# Altium PCB MIXR Input and Processing.PcbDoc (part 3 of 3) (continued)
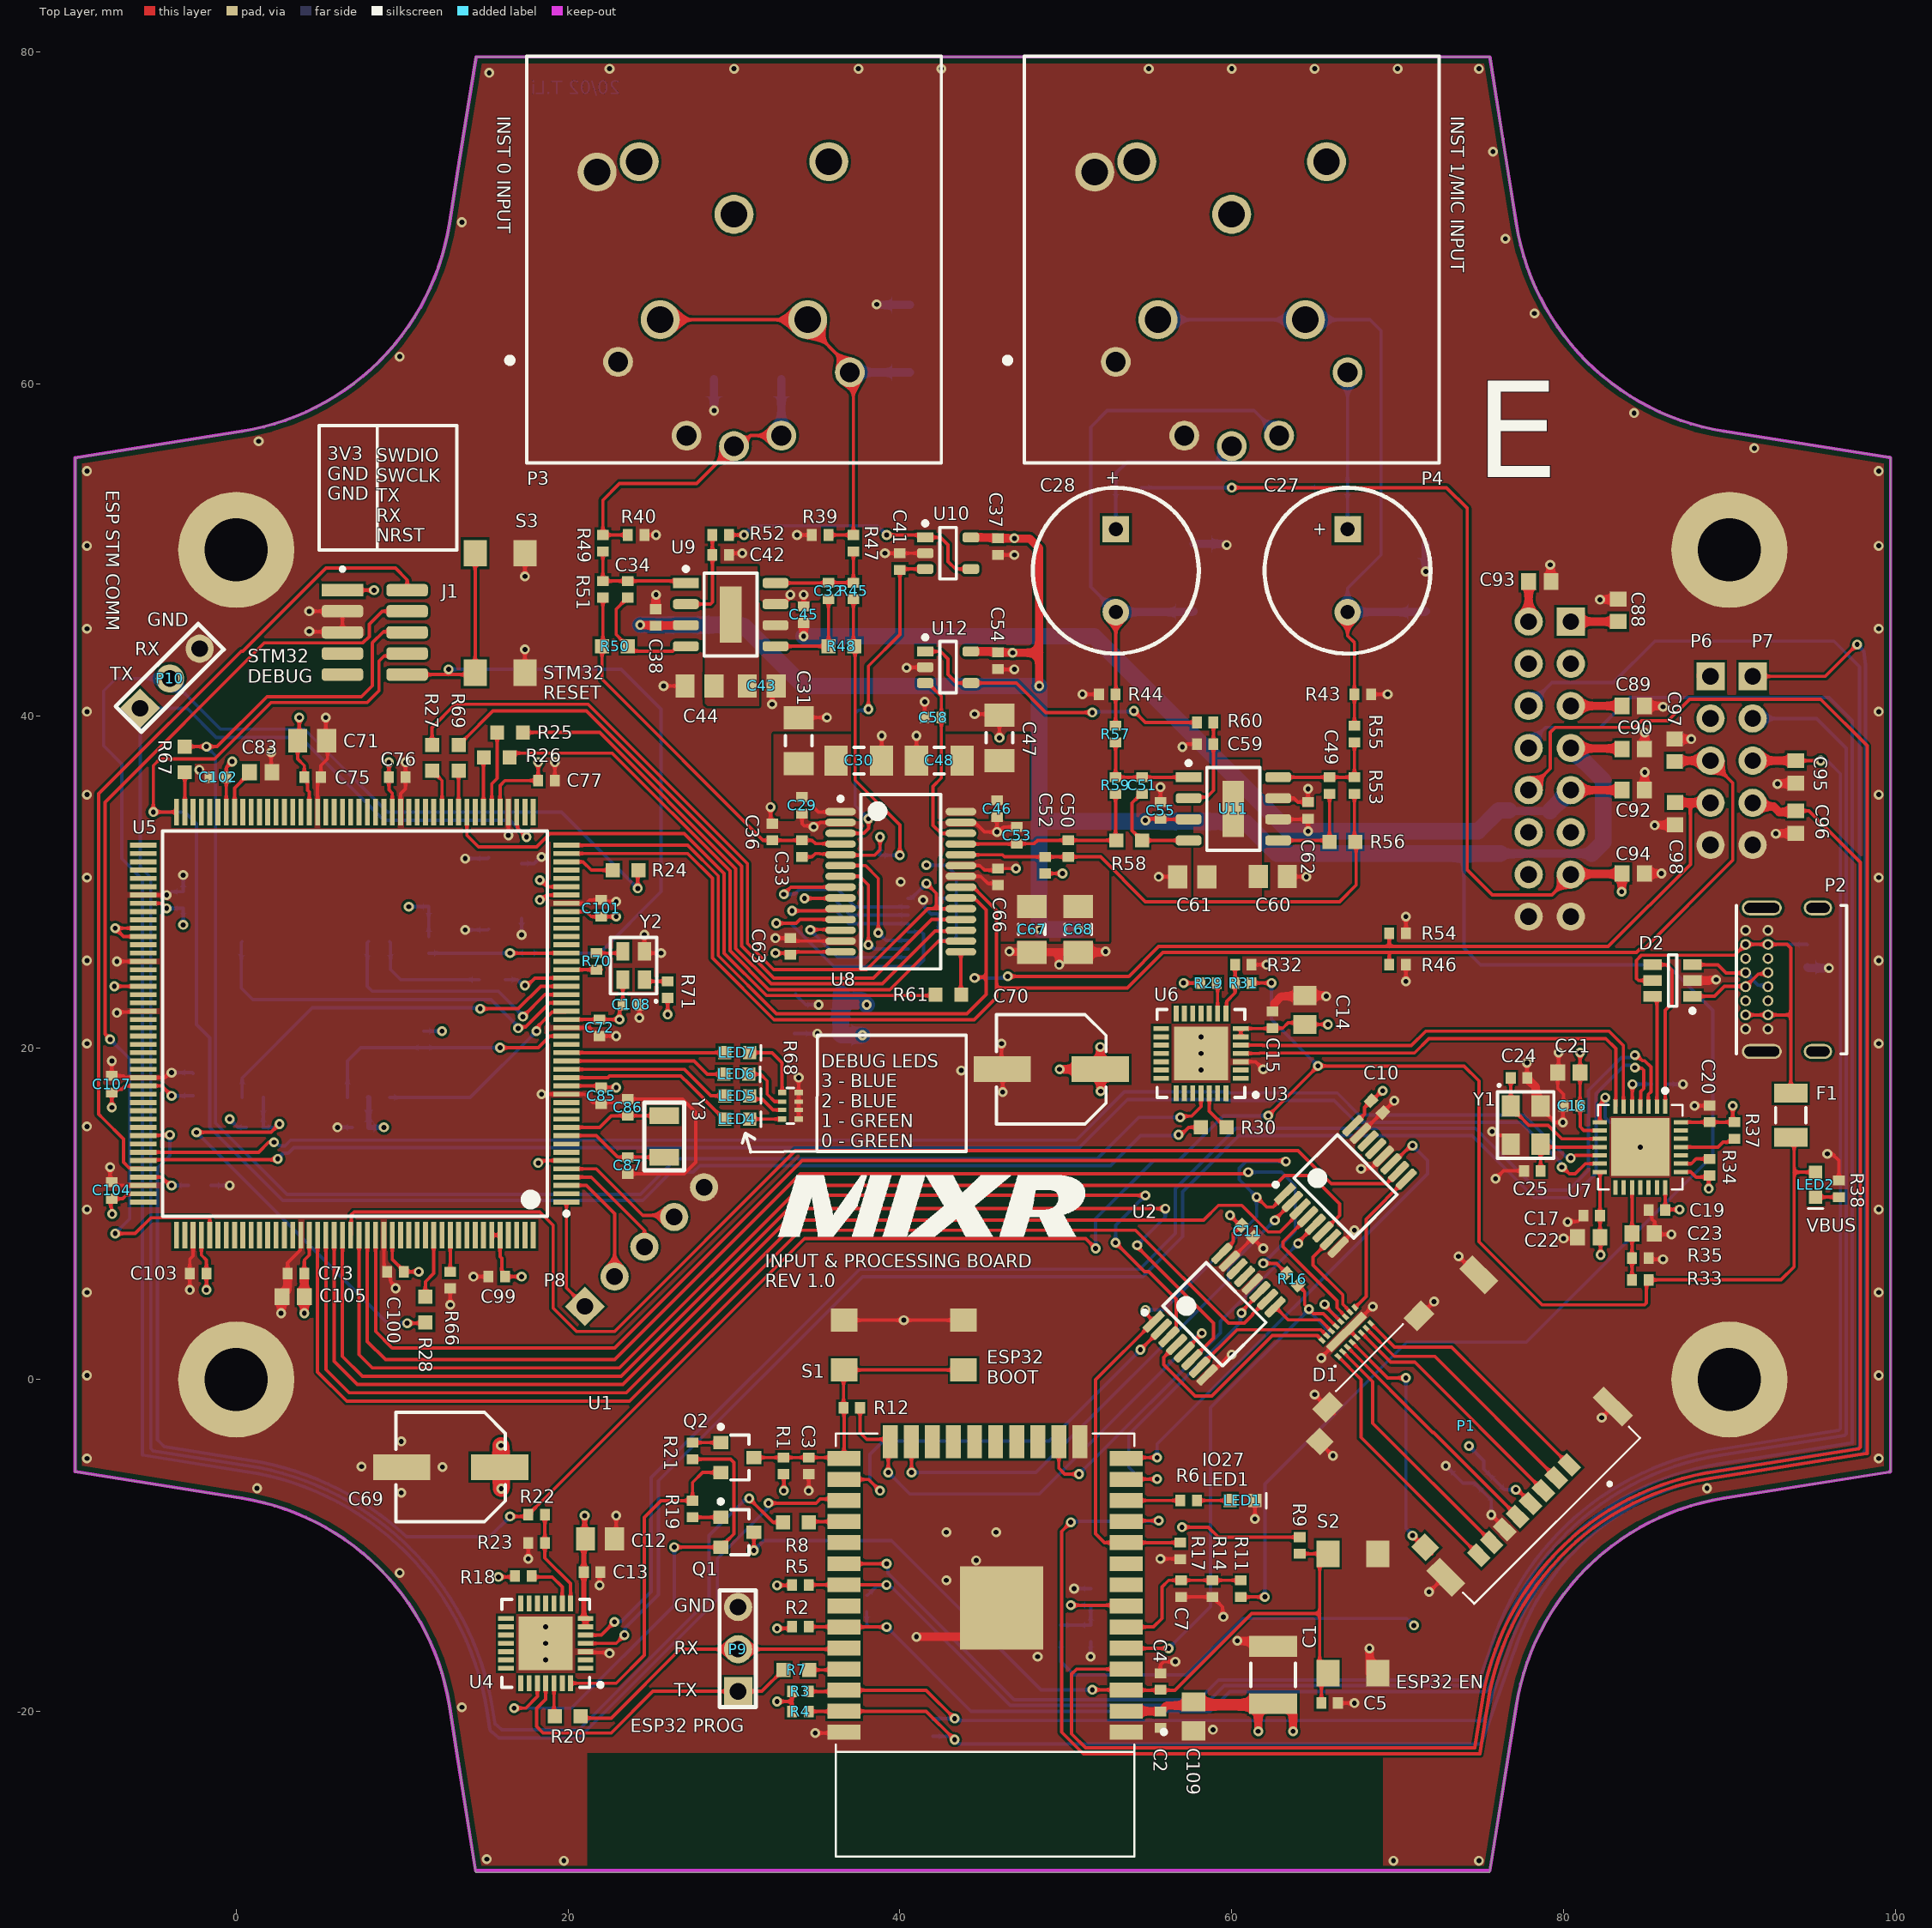
[diagram p0: Top Layer view]
## Nets (pads, with @x,y where several pads share a name; then routed paths per layer and width w, separated by ;. In a path a pad name is that pad's centre, name@x,y a point inside that pad or via, vN(x,y) a via of type N, cw(c..) or ccw(c..) an arc to the next point about the centre after c; other vN are vias at no path point) (continued)
  Top Layer w0.2: U2.4@56.68,2.118 55.9,1.339 55.9,0.9 57.8,-1 58.8,-1 62.448,2.648 65.158,2.648 D1.16@65.448,2.358
SD_DATA2: D1.8 P1.1 | length 15.5
  Top Layer w0.2: D1.8@68.383,3.383 69.811,1.954 73.246,1.954 74.1,1.1 ; 74.101,1.1 P1.1@80.344,-5.143
SD_DATA2_FILTERED: D1.9 U3.9 | length 9
  Top Layer w0.2: D1.9@67.428,4.337 68.1,5.009 68.1,9.661 U3.9@70.52,12.082
SD_DATA3: D1.7 P1.2 | length 15.2
  Top Layer w0.2: D1.7@68.1,3.1 69.8,1.4 72.246,1.4 P1.2@79.566,-5.921
SD_DATA3_FILTERED: D1.10 U3.7 | length 5.8
  Top Layer w0.2: U3.7@65.96,8.44 64.9,7.381 64.9,6.9 66.7,5.1 66.7,4.532 67.145,4.087 D1.10@67.145,4.055
SDCLK: D1.3 P1.5 | length 14.5
  Top Layer w0.2: D1.3@66.969,1.969 72.124,-3.186 72.165,-3.186 P1.5@77.233,-8.254
SDCMD: D1.6 P1.3 | length 14.9
  Top Layer w0.2: D1.6@67.817,2.817 69.587,1.048 71.042,1.048 P1.3@78.789,-6.699
STM32_BOOT0: R66.1 U5.166 | length 2.2
  Top Layer w0.2: R66.1@12.9,6.5 U5.166@12.9,8.7
STM32_NRST: C78.1 J1.10 R65.2 S3.1 U5.31 | length 55.4
  Top Layer w0.2: J1.10@10.3,42.49 12.8,42.49 ; v1(12.8,42.802) 12.8,42.49 ; S3.1@14.4,49.8 S3.1@14.4,42.6 14.29,42.49 12.8,42.49 ; v1(16.5,25.7) U5.31@19.9,25.7
  Bottom Layer w0.2: R65.2@11.6,25.7 v1(16.5,25.7) 17.326,25.7 C78.1@17.6,25.7 21.9,25.7 25.6,29.4 25.6,40.4 23.198,42.802 v1(12.8,42.802)
STM32_OSC32_IN: C87.1 U5.9 Y3.2 | length 6.4
  Top Layer w0.2: U5.9@19.9,14.7 21.7,14.7 23,13.4 C87.1@23.6,13.4 Y3.2@25.8,13.4
STM32_OSC32_OUT: C86.1 U5.10 Y3.1 | length 6.2
  Top Layer w0.2: U5.10@19.9,15.2 21.9,15.2 22.6,15.9 C86.1@23.6,15.9 Y3.1@25.8,15.9
STM32_OSC_IN: R70.2 U5.29 | length 2.1
  Top Layer w0.2: U5.29@19.9,24.7 R70.2@22,24.7
STM32_PA2_UART2_TX_ESP32_RX: P10.2 R24.1 U1.27 | length 144.4
  Top Layer w0.2: v1(24.2,29.6) 24.2,30.65 R24.1@24.25,30.7 ; v1(32.075,-7.45) 34.95,-7.45 35.2,-7.2 36.545,-7.2 U1.27@36.635,-7.29
  Bottom Layer w0.2: v1(24.2,29.6) 19.6,34.2 9.1,34.2 4.1,39.2 -0.95,39.2 P10.2@-4,42.25 -7.25,42.25 -8,41.5 -8,38.202 -6.9,37.102 -6.9,31.393 -6.754,31.246 -5.654,30.146 -5.654,-4.548 1.337,-5.664 1.341,-5.665 cw(c-2.08,-22.745) 15.109,-19.918 15.292,-21.074 15.303,-21.147 15.834,-21.6 20.65,-21.6 29,-13.25 29,-10.8 32.075,-7.725 v1(32.075,-7.45)
STM32_PA3_UART2_RX_ESP32_TX: P10.1 R8.1 U5.47 | length 128.2
  Top Layer w0.2: U5.47@16.9,34.2 16.95,34.15 16.95,33.25 v1(17.5,32.7) ; v1(30.918,-7.168) 32.35,-8.6 R8.1@32.95,-8.6
  Bottom Layer w0.2: 17.115,-21.1 16.017,-21.1 15.596,-20.74 15.584,-20.667 15.457,-19.862 ccw(c-2.08,-22.745) 1.399,-5.317 -5.006,-4.294 -5.154,-4.146 -5.154,30.254 -5.796,30.896 P10.1@-5.796,40.454 -2.954,40.454 -1.202,38.702 3.891,38.702 8.893,33.7 16.5,33.7 v1(17.5,32.7) ; 17.2,-21.1 20.65,-21.1 28.5,-13.25 28.5,-9.4 30.656,-7.245 30.841,-7.245 v1(30.918,-7.168)
STM32_PA4_I2S1_WS: R25.1 U8.17 | length 36.9
  Top Layer w0.2: R25.1@17.238,39 21.903,39 30.11,30.794 30.11,25.984 32.246,23.848 38.948,23.848 42.127,27.027 43.627,27.027 U8.17@43.675,27.075
STM32_PA5_I2S1_CK: R26.1 U8.16 | length 37.4
  Top Layer w0.2: R26.1@16.475,37.5 R26.1@16.475,37.6 ; R26.1@16.501,37.4 16.501,37.453 16.8,37.752 22.653,37.752 29.757,30.648 29.757,25.838 32.1,23.495 39.395,23.495 42.325,26.425 U8.16@43.675,26.425
STM32_PA7_I2S1_SD: R61.2 U5.53 | length 37.2
  Top Layer w0.2: U5.53@13.95,34.15 U5.53@13.9,34.2 13.9,32.8 14.6,32.1 18.1,32.1 18.9,32.9 27.007,32.9 29.405,30.502 29.405,25.692 31.954,23.143 42.093,23.143 R61.2@42.15,23.2
STM32_PA13_SWDIO: J1.2 U5.128 | length 49.3
  Top Layer w0.2: U5.128@-5.6,12.7 -5.65,12.75 -6.457,12.75 -6.8,13.093 -6.8,14.5 -8,15.7 -8.3,16 -8.3,35.3 0.3,43.9 0.4,43.9 5.4,48.9 9.6,48.9 10.3,48.2 J1.2@10.3,47.57
STM32_PA14_SWCLK: J1.4 U5.137 | length 57.5
  Top Layer w0.2: v1(-7.6,20.5) -7.6,20.517 -7.9,20.817 -7.9,34.8 1.7,44.4 7.642,44.4 8.022,44.78 8.022,45.522 8.8,46.3 J1.4@10.3,46.3 ; v1(-7.3,8.8) -6.1,8.8 -5.148,9.752 -1.6,9.752 U5.137@-1.6,8.7
  Bottom Layer w0.2: v1(-7.6,20.5) -6.423,19.323 -6.423,9.677 v1(-7.3,8.8)
STM32_PB0_ADC_nRESET: R27.1 R62.8 U8.19 | length 47.7
  Top Layer w0.2: R27.1@11.8,38.25 11.8,39.3 13.2,40.7 21.2,40.7 30.814,31.086 30.814,26.276 32.39,24.7 38,24.7 41.675,28.375 42.2,28.375 ; v1(41.6,29.9) 42.2,29.3 42.2,28.375 ; U8.19@43.675,28.375 42.2,28.375
  Bottom Layer w0.2: R62.8@40.5,29 40.703,29 41.6,29.897 v1(41.6,29.9)
STM32_PB6_QSPI_BK1_NCS: R28.1 R73.2 U13.7 | length 26.7
  Top Layer w0.2: v1(-2.4,14.9) 2.1,14.9 v1(2.6,15.4) ; v2(10.3,3.4) 11.35,3.4 R28.1@11.4,3.45
  Bottom Layer w0.2: v1(-2.4,14.9) 9.1,3.4 v2(10.3,3.4) ; U13.7@1.625,17 1.625,15.225 R73.2@1.6,15.2 2.292,15.2 2.492,15.4 v1(2.6,15.4)
STM32_PB14_DEBUG_UART1_TX: J1.6 R67.1 U6.25 | length 104.9
  Top Layer w0.2: R67.1@-3.1,38.15 v1(-1.8,38.15) -1.15,38.15 1.852,41.152 7.542,41.152 8.2,41.81 8.2,44.4 8.867,45.067 10.263,45.067 J1.6@10.3,45.03 ; v1(56.9,15.8) 56.977,15.877 57.577,15.877 58.15,16.45 U6.25@58.15,17.255
  Bottom Layer w0.2: v1(-1.8,38.15) -1.248,37.598 -1.248,15.448 3.048,11.152 24.352,11.152 26.5,13.3 51.9,13.3 54.4,15.8 v1(56.9,15.8)
STM32_PB15_DEBUG_UART1_RX: J1.8 R30.2 U5.88 | length 108.3
  Top Layer w0.2: U5.88@-3.6,34.2 v1(-5,34.2) -5,37 -4.6,37.4 -1.3,37.4 2.1,40.8 7.895,40.8 8.6,41.505 8.6,43.3 8.91,43.61 10.15,43.61 J1.8@10.3,43.76 ; v1(56.8,14.752) 56.961,14.752 57.408,15.2 R30.2@58.15,15.2
  Bottom Layer w0.2: v1(-5,34.2) -3.1,34.2 -2.4,33.5 -2.4,21.4 -1.6,20.6 -1.6,15.2 2.8,10.8 24.5,10.8 26.2,12.5 27.541,12.5 27.941,12.9 52.7,12.9 54.5,14.7 56.748,14.7 v1(56.8,14.752)
STM32_PC4_I2S1_MCK: R69.1 U8.18 | length 42.1
  Top Layer w0.2: R69.1@13.4,38.25 13.725,38.575 13.75,38.575 15.475,40.3 21.102,40.3 30.462,30.94 30.462,26.13 32.392,24.2 38.4,24.2 41.925,27.725 U8.18@43.675,27.725
STM32_PD6_SDMMC2_CK: U2.10 U5.150 | length 73.4
  Top Layer w0.2: U5.150@4.9,8.7 4.9,0.465 6.665,-1.3 23.7,-1.3 34,9 54.2,9 59.8,3.4 60.762,3.4 61.26,3.898 61.26,3.941 U2.10@62.16,4.84
STM32_PD7_SDMMC2_CMD: U3.3 U5.151 | length 73.4
  Top Layer w0.2: U5.151@5.4,8.7 5.4,0.6 6.8,-0.8 23.5,-0.8 33.9,9.6 58.3,9.6 59.2,10.5 60.6,10.5 62.2,8.9 62.904,8.9 64.121,10.118 U3.3@64.121,10.279
STM32_PE2_SPI4_SCK: P8.1 U5.1 | length 6.8
  Top Layer w0.2: U5.1@19.9,10.7 19.9,5.516 P8.1@21.008,4.408
STM32_PE4_SPI4_nCS: P8.2 U5.3 | length 7.4
  Top Layer w0.2: U5.3@19.9,11.7 21.1,11.7 22.804,9.996 P8.2@22.804,6.204
STM32_PE5_SPI4_MISO: P8.3 U5.4 | length 7
  Top Layer w0.2: U5.4@19.9,12.2 21.4,12.2 24.6,9 P8.3@24.6,8
STM32_PE6_SPI4_MOSI: P8.4 U5.5 | length 7.7
  Top Layer w0.2: U5.5@19.9,12.7 21.7,12.7 24.5,9.9 26.292,9.9 P8.4@26.396,9.796
STM32_PF0_DEBUG_LED_0: LED4.1 U5.16 | length 10.7
  Top Layer w0.2: U5.16@19.9,18.2 22.4,18.2 22.5,18.3 26.8,18.3 27.3,17.8 29.1,16 29.139,16 LED4.1@29.439,15.7
STM32_PF1_DEBUG_LED_1: LED5.1 U5.17 | length 10.2
  Top Layer w0.2: U5.17@19.9,18.7 27,18.7 28.6,17.1 LED5.1@29.439,17.1
STM32_PF2_DEBUG_LED_2: LED6.1 U5.18 | length 9.8
  Top Layer w0.2: U5.18@19.9,19.2 27.6,19.2 28.4,18.4 29.379,18.4 LED6.1@29.389,18.41
STM32_PF3_DEBUG_LED_3: LED7.1 U5.19 | length 9.5
  Top Layer w0.2: U5.19@19.9,19.7 LED7.1@29.439,19.7
STM32_PF5_FLASH_nRESET: R74.2 U5.21 U13.3 | length 16
  Top Layer w0.2: v1(15.9,20) 18.2,20 18.9,20.7 U5.21@19.9,20.7
  Bottom Layer w0.2: U13.3@6.705,17 6.705,19.205 7.5,20 v1(15.9,20)
STM32_PF6_QSPI_BK1_IO3: U5.24 U13.1 | length 12.9
  Top Layer w0.2: v1(18.1,21) 18.177,21.077 18.177,21.283 19.043,22.15 19.85,22.15 U5.24@19.9,22.2
  Bottom Layer w0.2: U13.1@9.245,17 14.1,17 v1(18.1,21)
STM32_PF7_QSPI_BK1_IO2: U5.25 U13.9 | length 24.1
  Top Layer w0.2: v1(16.992,21.171) 17.069,21.247 17.436,21.247 18.889,22.7 U5.25@19.9,22.7
  Bottom Layer w0.2: U13.9@0.355,26.4 0.3,26.345 0.3,23.6 1,22.9 15.369,22.9 16.992,21.276 v1(16.992,21.171)
STM32_PF8_QSPI_BK1_IO0: U5.26 U13.15 | length 16.1
  Top Layer w0.2: v1(17.275,21.868) 18.608,23.2 U5.26@19.9,23.2
  Bottom Layer w0.2: U13.15@7.975,26.4 7.9,26.325 7.9,23.7 8.2,23.4 15.8,23.4 17.2,22 17.2,21.943 v1(17.275,21.868)
STM32_PF9_QSPI_BK1_IO1: U5.27 U13.8 | length 23
  Top Layer w0.2: v1(14.7,22.348) 17.002,22.348 18.354,23.7 U5.27@19.9,23.7
  Bottom Layer w0.2: U13.8@0.355,17 0.355,18.166 4.589,22.4 14.648,22.4 v1(14.7,22.348)
STM32_PF10_QSPI_CLK: R72.2 U13.16 | length 7.3
  Bottom Layer w0.2: U13.16@9.245,26.4 9.3,26.345 9.3,24.7 9.9,24.1 R72.2@14.65,24.1
STM32_PG9_SDMMC2_D0: U2.6 U5.152 | length 74.9
  Top Layer w0.2: U5.152@5.9,8.7 5.9,1.1 7.3,-0.3 23.3,-0.3 33.9,10.3 v1(56,10.3) ; v1(54.3,8.1) 54.3,8 58.9,3.4 58.9,2.5 U2.6@57.599,1.199
  Bottom Layer w0.2: v1(54.3,8.1) 56,9.8 v1(56,10.3)
STM32_PG10_SDMMC2_D1: U2.3 U5.153 | length 71.8
  Top Layer w0.2: U5.153@6.4,8.7 6.4,1.4 7.6,0.2 23.203,0.2 34.103,11.1 v1(54.8,11.1) ; v1(53,8.248) 54.74,6.508 54.992,6.508 56.656,4.844 56.656,3.179 56.22,2.744 U2.3@56.22,2.578
  Bottom Layer w0.2: v1(53,8.248) 53,9.3 v1(54.8,11.1)
STM32_PG11_SDMMC2_D2: U3.10 U5.154 | length 76
  Top Layer w0.2: U5.154@6.9,8.7 6.937,8.737 6.937,9.937 7.1,10.1 18.3,10.1 19.1,9.3 19.1,4.3 20.5,2.9 22.8,2.9 33.7,13.8 64,13.8 66.001,11.799 69.318,11.799 U3.10@70.061,12.542
STM32_PG12_SDMMC2_D3: U3.6 U5.155 | length 74.3
  Top Layer w0.2: U5.155@7.4,8.7 7.4,1.5 8.2,0.7 23.1,0.7 34.1,11.7 62.6,11.7 63.2,12.3 64.8,12.3 65.3,11.8 65.653,11.447 66.5,10.6 66.5,9.9 U3.6@65.5,8.9
STM32_PG13_SD_DETECT: R16.1 U5.156 | length 74.9
  Top Layer w0.2: U5.156@7.9,8.7 7.9,2.3 9,1.2 22.8,1.2 34,12.4 60.683,12.4 60.706,12.423 60.923,12.423 v1(61,12.5) ; v1(61.9,7) 62.7,7 R16.1@63.293,6.407
  Bottom Layer w0.2: v1(61,12.5) 63,12.5 63.831,11.669 63.831,8.931 v1(61.9,7)
USB_DEBUG_DN: D2.3 P2.A7 P2.B7 | length 5.1
  Top Layer w0.2: D2.3@87.77,25 89.3,25 89.8,24.5 90.95,24.5 P2.A7@90.975,24.525
  Bottom Layer w0.2: P2.A7@90.975,24.525 91.739,23.761 92.239,23.761 P2.B7@92.325,23.675
USB_DEBUG_DP: D2.1 P2.A6 P2.B6 | length 5.2
  Top Layer w0.2: D2.1@87.77,23.1 89.1,23.1 89.7,23.7 90.95,23.7 P2.A6@90.975,23.675 91.739,24.439 92.239,24.439 P2.B6@92.325,24.525
USB_DEBUG_PROT_DN: D2.4 U7.1 | length 9.7
  Top Layer w0.2: D2.4@85.37,25 86.2,25 86.541,24.659 86.541,22.661 86.13,22.25 U7.1@86.13,16.445
USB_DEBUG_PROT_DP: D2.6 U7.2 | length 6.8
  Top Layer w0.2: D2.6@85.37,23.1 85.405,23.1 85.63,22.875 U7.2@85.63,16.445
USB_ESP32_D_N: U4.5 U7.3 | length 93
  Top Layer w0.2: U4.5@21.05,-15.4 22,-15.4 v1(22.8,-14.6) ; v1(84.3,19.552) 84.408,19.552 84.749,19.212 84.897,19.212 85.278,18.831 85.278,17.348 85.105,17.175 85.105,16.47 U7.3@85.13,16.445
  Bottom Layer w0.2: v1(22.8,-14.6) 22.833,-14.567 23.215,-14.567 25,-12.782 25,-5.914 37.564,6.65 54.45,6.65 56.6,8.8 56.6,11.5 60.25,15.15 74.686,15.15 78.418,11.418 80.318,11.418 81.51,12.61 81.51,17.428 83.484,19.401 84.041,19.401 84.192,19.552 v1(84.3,19.552)
USB_ESP32_D_P: U4.4 U7.4 | length 92.4
  Top Layer w0.2: U4.4@21.05,-15.9 22.9,-15.9 v1(23.4,-15.4) ; v1(84.3,18.8) 84.338,18.762 84.71,18.762 84.828,18.645 84.828,17.534 84.655,17.361 84.655,16.47 U7.4@84.63,16.445
  Bottom Layer w0.2: v1(23.4,-15.4) 23.433,-15.367 23.433,-14.985 25.45,-12.968 25.45,-6.1 37.75,6.2 54.636,6.2 57.05,8.614 57.05,11.314 60.436,14.7 74.5,14.7 78.1,11.1 78.232,10.968 80.505,10.968 81.96,12.424 81.96,17.241 83.67,18.951 84.041,18.951 84.192,18.8 v1(84.3,18.8)
USB_STM32_D_N: U6.5 U7.6 | length 27.5
  Top Layer w0.2: U6.5@60.55,20.155 61.855,20.155 61.88,20.13 70.83,20.13 71.7,21 82.736,21 83.605,20.131 83.605,16.47 U7.6@83.63,16.445
USB_STM32_D_P: U6.4 U7.7 | length 26.7
  Top Layer w0.2: U6.4@60.55,19.655 61.675,19.655 61.7,19.68 71.016,19.68 71.886,20.55 82.55,20.55 83.155,19.945 83.155,16.47 U7.7@83.13,16.445
USB_STM32_USB_FS_D_N: U5.126 U7.12 | length 90.9
  Top Layer w0.2: U5.126@-5.575,13.675 U5.126@-5.6,13.7 1.351,13.7 1.951,14.3 v1(2.276,14.3) ; 80.718,13.51 U7.12@82.195,13.51
  Bottom Layer w0.2: v1(2.276,14.3) 2.384,14.3 2.584,14.1 2.617,14.1 2.626,14.091 2.937,14.091 3.278,14.432 50.632,14.432 53.532,17.332 59.785,17.332 59.844,17.273 66.363,17.273 67.684,15.952 77.608,15.952 80.133,13.428 80.357,13.428 v1(80.433,13.351)
USB_STM32_USB_FS_D_P: U5.127 U7.13 | length 91.6
  Top Layer w0.2: U5.127@-5.6,13.2 -5.55,13.25 2.45,13.25 v1(2.5,13.3) ; v1(79.9,12.8) 79.949,12.8 80.349,12.4 80.7,12.4 81.31,13.01 U7.13@82.195,13.01
  Bottom Layer w0.2: v1(2.5,13.3) 2.5,13.324 2.817,13.641 3.124,13.641 3.465,13.982 50.818,13.982 53.718,16.882 59.599,16.882 59.658,16.823 66.177,16.823 67.498,15.502 77.422,15.502 79.823,13.101 79.823,12.877 v1(79.9,12.8)
VBUS_DEBUG: C26.1 D2.5 F1.1 P2.A4 P2.A9 P2.B4 P2.B9 | length 27.1
  Top Layer w0.2: D2.5@85.37,24.05 84.517,24.05 84.4,24.167 84.4,25.262 84.715,25.577 90.328,25.577 P2.A9@90.975,26.225 P2.B4@92.325,26.225 93.475,26.225 93.7,26 93.7,21.975 ; P2.A4@90.975,21.975 P2.B9@92.325,21.975 93.7,21.975 ; F1.1@93.7,17.26 93.7,21.975
  Bottom Layer w0.2: P2.A9@90.975,26.225 P2.B4@92.325,26.225 94.675,26.225 C26.1@94.7,26.2
VBUS_DEBUG_PROT: F1.2 LED2.1 R22.1 R31.1 R33.1 U5.124 | length 163.6
  Top Layer w0.2: U5.124@-5.6,14.7 -5.575,14.725 -4.025,14.725 v1(-4,14.75) ; v1(16.5,-8.25) 17.5,-8.25 R22.1@17.6,-8.15 17.6,-8.1 17.8,-7.9 17.85,-7.9 18.048,-7.702 18.048,-7.695 18.195,-7.548 18.202,-7.548 34.25,8.5 51.2,8.5 v1(51.8,7.9) ; R31.1@61.2,23.9 v1(62.4,23.9) ; v1(62.2,15.9) v1(65.2,18.9) 74,18.9 74.9,18 74.9,8.3 78.7,4.5 84.883,4.5 85,4.617 85,5.88 R33.1@85.13,6.01 93.11,6.01 93.9,6.8 93.9,12.5 ; F1.2@93.7,14.6 93.9,14.4 93.9,12.5 ; LED2.1@95.2,12.5 93.9,12.5
  Bottom Layer w0.2: v1(-4,14.75) -4,13.5 -4.75,12.75 -4.75,-3.633 -4.535,-3.848 -4.339,-4.044 1.461,-4.97 1.465,-4.971 cw(c-2.08,-22.745) 10.269,-9.479 15.271,-9.479 v1(16.5,-8.25) ; v1(51.8,7.9) 51.8,9.7 55.3,13.2 56.8,13.2 59.5,15.9 v1(62.2,15.9) ; v1(62.4,23.9) 62.4,21.7 v1(65.2,18.9)
VCAP_1: C83.1 U5.81 | length 2.8
  Top Layer w0.2: U5.81@-0.1,34.2 -0.1,35.65 0.8,36.55 C83.1@0.8,36.6
VCAP_2: C84.1 U5.129 | length 2.9
  Top Layer w0.2: U5.129@-5.612,12.212 U5.129@-5.6,12.2 -4.5,12.2 -4,11.7 v1(-3.9,11.7)
  Bottom Layer w0.2: v1(-3.9,11.7) C84.1@-2.875,11.7
VCOM_L: C41.1 U8.3 U10.3 | length 20.7
  Top Layer w0.2: U8.3@36.425,32.925 37.825,32.925 38.117,33.217 38.117,33.783 v1(38.1,33.8) ; v1(38.1,40.4) 38.1,43 40,44.9 C41.1@40,48.8 40.05,48.85 U10.3@41.525,48.85
  Bottom Layer w0.2: v1(38.1,33.8) 37.3,34.6 37.3,40.135 37.5,40.335 38.035,40.335 v1(38.1,40.4)
VCOM_R: C58.1 U8.26 U12.3 | length 11.2
  Top Layer w0.2: U12.3@41.525,41.98 41.698,41.98 41.925,41.753 42.5,41.177 42.5,39.9 42.5,36.25 42,35.75 42,33.4 42.475,32.925 U8.26@43.675,32.925
VIN_FILTERED_0_LEFT_NEG: C33.1 C35.1 R45.2 R48.2 U8.5 | length 24.8
  Top Layer w0.2: C33.1@34.1,31.4 34.15,31.45 C33.1@34.2,31.5 ; C33.1@34.1,31.5 C33.1@34.2,31.5 ; R45.2@37.2,47.025 37.2,44.245 37.3,44.145 37.3,36.125 40,33.425 v1(40,31.6) ; v1(38.8,32.7) 38.8,31.924 38.476,31.6 36.45,31.6 U8.5@36.425,31.625 36.377,31.673 35.21,31.673 35.182,31.7 34.9,31.7 34.7,31.5 C33.1@34.2,31.5
  Bottom Layer w0.2: v1(38.8,32.7) 38.8,31.65 C35.1@38.75,31.6 v1(40,31.6)
VIN_FILTERED_0_LEFT_POS: C33.2 C36.1 R50.2 R51.2 U8.4 | length 23.4
  Top Layer w0.2: R51.2@22.1,47.125 22.1,44.245 R50.2@22.05,44.195 22.05,42.2 31.75,32.5 C36.1@32.3,32.5 C33.2@34.1,32.5 34.7,32.5 34.9,32.3 36.4,32.3 U8.4@36.425,32.275
VIN_FILTERED_1_RIGHT_NEG: C50.1 C52.1 R53.2 R56.2 U8.24 | length 31
  Top Layer w0.2: U8.24@43.675,31.625 46.175,31.625 46.3,31.5 C52.1@48.762,31.5 ; C52.1@48.75,31.5 C50.1@50.15,31.5 52.1,31.5 54.8,28.8 66.5,28.8 67.5,29.8 67.5,32.35 R56.2@67.45,32.4 67.4,32.45 R53.2@67.4,35.3
VIN_FILTERED_1_RIGHT_POS: C50.2 C53.1 R58.2 R59.2 U8.25 | length 12.2
  Top Layer w0.2: U8.25@43.675,32.275 47.025,32.275 C53.1@47.05,32.3 48.1,32.3 48.3,32.5 49.45,32.5 C50.2@50.15,32.5 52.96,32.5 53,32.54 R59.2@53,35.3
VIN_INST_0_NEG: D4.1 P3.3 P3.5 R40.1 R49.1 | length 19.4
  Top Layer w0.2: R40.1@23.6,50.9 R49.1@22.1,50.9 22.1,53 23.1,54 27.745,54 P3.3@30,56.255 30.355,56.255 30.99,56.89 P3.5@32.857,56.89
  Bottom Layer w0.5: P3.5@32.857,56.89 D4.1@32.857,60.3
VIN_INST_0_POS: D3.1 P3.2 P3.6 P3.7 R39.1 R47.1 | length 28.1
  Top Layer w0.2: P3.6@25.555,63.875 P3.7@34.445,63.875 34.445,63.557 36.985,61.017 P3.2@36.985,60.7 37.2,60.485 R47.1@37.2,50.9 R39.1@35.7,50.9
  Bottom Layer w0.5: P3.2@36.985,60.7 D3.1@40.6,60.7
VIN_INST_1_NEG: C28.2 D6.1 P4.5 R44.1 R57.1 | length 35.7
  Top Layer w0.2: R57.1@53,39.4 R44.1@53,41.3 53.015,41.315 C28.2@53.015,46.25
  Bottom Layer w0.2: C28.2@53.015,46.25 51.5,47.765 51.5,57.4 52.5,58.4 61.348,58.4 P4.5@62.858,56.89
  Bottom Layer w0.5: C28.2@53.015,46.25 57.65,46.25 D6.1@57.7,46.3
VIN_INST_1_POS: C27.2 D5.1 P4.6 P4.7 R43.1 R55.1 | length 43.3
  Top Layer w0.2: C27.2@66.985,46.25 66.985,44.815 67.4,44.4 R43.1@67.4,41.3 R55.1@67.4,39.4
  Bottom Layer w0.2: P4.6@55.555,63.875 P4.7@64.445,63.875 68.325,63.875 69,63.2 69,49.7 66.985,47.685 C27.2@66.985,46.25
  Bottom Layer w0.5: C27.2@66.985,46.25 71.65,46.25 D5.1@71.7,46.3
VREF_L: C29.1 C30.1 C31.1 U8.1 | length 1.9
  Top Layer w0.2: 34.7,34.6 35.1,34.2 36.4,34.2 U8.1@36.425,34.225
VREF_R: C46.1 C47.1 C48.1 U8.28
pads on no net: J1.7 J1.9 P2.A5 P2.A8 P2.B5 P2.B8 P2.P2 P2.P3 P2.P4 P3.9 P3.10 P3.11 P4.9 P4.10 P4.11 P5.6 U1.8 U1.9 U1.17 U1.18 U1.19 U1.20 U1.21 U1.22 U1.29 U1.32 U2.13 U2.14 U3.13 U3.14 U4.1 U4.2 U4.10 U4.11 U4.12 U4.13 U4.14 U4.15 U4.16 U4.17 U4.18 U4.19 U4.20 U4.21 U4.22 U4.23 U4.27 U5.2 U5.7 U5.8 U5.11 U5.12 U5.13 U5.20 U5.30 U5.32 U5.33 U5.34 U5.35 U5.40 U5.41 U5.45 U5.46 U5.52 U5.55 U5.57 U5.58 U5.59 U5.60 U5.63 U5.64 U5.65 U5.66 U5.67 U5.68 U5.69 U5.70 U5.73 U5.74 U5.75 U5.76 U5.77 U5.78 U5.79 U5.80 U5.83 U5.84 U5.85 U5.86 U5.89 U5.90 U5.91 U5.92 U5.93 U5.94 U5.97 U5.98 U5.101 U5.102 U5.104 U5.105 U5.107 U5.108 U5.110 U5.111 U5.112 U5.113 U5.114 U5.115 U5.116 U5.119 U5.120 U5.121 U5.122 U5.123 U5.125 U5.132 U5.133 U5.134 U5.138 U5.139 U5.140 U5.141 U5.142 U5.143 U5.144 U5.145 U5.146 U5.147 U5.160 U5.161 U5.162 U5.163 U5.165 U5.167 U5.168 U5.169 U5.170 U5.173 U5.174 U5.175 U5.176 U6.1 U6.2 U6.10 U6.11 U6.12 U6.13 U6.14 U6.15 U6.16 U6.17 U6.18 U6.19 U6.20 U6.21 U6.22 U6.23 U6.24 U6.27 U6.28 U7.15 U7.16 U7.18 U7.19 U7.20 U7.24 U7.26 U7.27 U13.4 U13.5 U13.6 U13.11 U13.12 U13.13 U13.14

## Polygon pours and split planes (outlines as drawn)
GND on Top Layer "GND_L01_P049" (solid, remove dead copper, pour order 49): -15,82.5 -15,-37.5 117.5,-37.5 117.5,82.5
+5V_SW on Top Layer "+5V_SW_L01_P048" (solid, pour order 48): 42.404,31.4 52,31.4 52.6,30.8 52.6,26.4 42.414,26.4 42.354,26.46
-5V_SW on Top Layer "-5V_SW_L01_P047" (solid, pour order 47): 57.7,37.36 57.7,28.96 61.8,28.96 61.8,32.96 65.5,32.96 65.5,35.16 61.7,35.16 61.7,37.36
VREF_L on Top Layer "VREF_L_L01_P045" (solid, remove dead copper, pour order 45): 38.574,38.9 38.574,33.8 32.4,33.8 32.4,38.9
-5V_SW on Top Layer "-5V_SW_L01_P046" (solid, pour order 46): 28.2,49 28.25,48.95 28.25,40.75 28.4,40.6 31.5,40.6 31.5,44.6 35.2,44.6 35.2,46.8 31.4,46.8 31.4,49
VREF_R on Top Layer "VREF_R_L01_P044" (solid, pour order 44): 41.8,38.9 41.8,33.8 47.8,33.8 47.8,38.9
GND on Bottom Layer "GND_L04_P054" (solid, remove dead copper, pour order 54): -20,87.5 -20,-42.5 125,-42.5 125,87.5
3V3A on Bottom Layer "3V3A_L04_P053" (solid, pour order 53): 12.2,27.8 19,27.8 19,30.8 12.2,30.8
3V3 on Int2 (PWR) "3V3_L03_P052" (solid, pour order 52): -15,85 -15,-32.5 110,-32.5 110,85
3V3_SW on Int2 (PWR) "3V3_SW_L03_P051" (solid, pour order 51): 30.679,27.5 54.798,27.5 54.798,20 55,19.798 67.5,19.798 67.702,20 67.702,27.5 75,27.5 75,47.5 79.17,47.5 79.17,41 100,41 100,-17.5 57.5,-17.5 57.5,15 30.679,15
GND on Int1 (GND) "GND_L02_P050" (solid, remove dead copper, pour order 50): -15,82.5 -15,-35 112.5,-35 112.5,82.5

## Keep-outs
Keep-Out Layer:
  lines w0.2: 75.548,79.713 75.549,79.712 75.549,79.71 75.55,79.709 75.55,79.708 75.551,79.707 75.551,79.706 75.551,79.705 ; 75.549,79.712 48.95,79.712 41.05,79.712 14.452,79.712 13.654,74.757 13.324,72.672 12.847,69.662 cw(c-2.016,72.016) 0.338,57.153 -9.713,55.548 -9.713,-5.549 0.338,-7.154 cw(c-2.016,-22.017) 12.847,-19.663 13.324,-22.672 14.42,-29.594 75.568,-29.594 77.153,-19.663 cw(c92.016,-22.017) 89.662,-7.154 99.594,-5.581 99.595,-5.58 99.596,-5.58 99.598,-5.58 99.599,-5.58 99.6,-5.58 99.601,-5.579 99.602,-5.579 99.604,-5.579 99.605,-5.579 ; 99.594,55.58 99.595,55.579 99.596,55.579 99.598,55.579 99.599,55.579 99.6,55.579 99.601,55.578 99.602,55.578 99.604,55.578 99.605,55.578 ; 99.594,55.58 89.662,57.153 cw(c92.016,72.016) 77.153,69.662 76.677,72.672 76.346,74.757 75.58,79.593 75.58,79.594 75.58,79.596 75.58,79.597 75.58,79.598 75.579,79.599 75.579,79.601 75.579,79.602 ; 75.552,79.703 75.552,79.702 75.553,79.701 75.553,79.7 75.554,79.699 75.554,79.698 75.554,79.696 75.555,79.695 75.555,79.694 75.556,79.693 75.556,79.692 75.556,79.691 75.557,79.689 ; 75.551,79.705 75.552,79.703 ; 75.557,79.688 75.558,79.687 75.558,79.686 75.558,79.685 75.559,79.683 75.559,79.682 75.56,79.681 75.56,79.68 75.56,79.679 75.561,79.678 75.561,79.676 75.561,79.675 75.562,79.674 75.562,79.673 ; 75.557,79.689 75.557,79.688 ; 75.562,79.672 75.563,79.67 75.563,79.669 75.563,79.668 75.564,79.667 75.564,79.666 75.565,79.665 75.565,79.663 75.565,79.662 75.566,79.661 75.566,79.66 75.566,79.659 75.567,79.657 75.567,79.656 75.567,79.655 75.567,79.654 75.568,79.653 75.568,79.651 75.568,79.65 75.569,79.649 75.569,79.648 75.569,79.647 75.57,79.645 75.57,79.644 75.57,79.643 75.571,79.642 75.571,79.641 75.571,79.639 75.571,79.638 75.572,79.637 75.572,79.636 75.572,79.635 75.573,79.633 75.573,79.632 75.573,79.631 ; 75.562,79.673 75.562,79.672 ; 75.573,79.63 75.574,79.628 75.574,79.627 75.574,79.626 75.574,79.625 75.575,79.624 75.575,79.622 75.575,79.621 75.575,79.62 75.576,79.619 75.576,79.618 75.576,79.616 75.576,79.615 75.577,79.614 75.577,79.613 75.577,79.612 75.577,79.61 75.578,79.609 75.578,79.608 75.578,79.607 75.578,79.605 75.579,79.604 75.579,79.603 ; 75.573,79.631 75.573,79.63 ; 75.579,79.603 75.579,79.602 ; 99.605,-5.579 99.606,-5.579 ; 99.606,-5.579 99.607,-5.578 99.609,-5.578 99.61,-5.578 99.611,-5.578 99.612,-5.577 99.613,-5.577 99.615,-5.577 99.616,-5.577 99.617,-5.576 99.618,-5.576 99.62,-5.576 99.621,-5.576 99.622,-5.575 99.623,-5.575 99.624,-5.575 99.626,-5.575 99.627,-5.574 99.628,-5.574 99.629,-5.574 99.63,-5.574 99.632,-5.573 99.633,-5.573 ; 99.606,55.578 99.607,55.577 99.609,55.577 99.61,55.577 99.611,55.577 99.612,55.576 99.613,55.576 99.615,55.576 99.616,55.576 99.617,55.576 99.618,55.575 99.62,55.575 99.621,55.575 99.622,55.575 99.623,55.574 99.624,55.574 99.626,55.574 99.627,55.574 99.628,55.573 99.629,55.573 99.63,55.573 99.632,55.572 99.633,55.572 99.634,55.572 99.635,55.572 99.636,55.571 99.638,55.571 99.639,55.571 99.64,55.57 99.641,55.57 99.642,55.57 99.644,55.57 99.645,55.569 99.646,55.569 99.647,55.569 99.648,55.568 99.65,55.568 99.651,55.568 99.652,55.567 99.653,55.567 99.654,55.567 99.656,55.567 ; 99.605,55.578 99.606,55.578 ; 99.633,-5.573 99.634,-5.573 ; 99.634,-5.573 99.635,-5.573 99.636,-5.572 99.638,-5.572 99.639,-5.572 99.64,-5.571 99.641,-5.571 99.642,-5.571 99.644,-5.57 99.645,-5.57 99.646,-5.57 99.647,-5.57 99.648,-5.569 99.65,-5.569 99.651,-5.569 99.652,-5.568 99.653,-5.568 99.654,-5.568 99.656,-5.567 ; 99.656,-5.567 99.657,-5.567 ; 99.657,-5.567 99.658,-5.567 99.659,-5.566 99.66,-5.566 99.662,-5.566 99.663,-5.565 99.664,-5.565 99.665,-5.565 99.666,-5.564 99.668,-5.564 99.669,-5.564 99.67,-5.563 99.671,-5.563 99.672,-5.563 99.674,-5.562 99.675,-5.562 ; 99.657,55.566 99.658,55.566 99.659,55.565 99.66,55.565 99.662,55.565 99.663,55.565 99.664,55.564 99.665,55.564 99.666,55.564 99.668,55.563 99.669,55.563 99.67,55.562 99.671,55.562 99.672,55.562 99.674,55.561 99.675,55.561 ; 99.656,55.567 99.657,55.566 ; 99.675,-5.562 99.676,-5.562 ; 99.676,-5.562 99.677,-5.561 99.678,-5.561 99.679,-5.56 99.681,-5.56 99.682,-5.56 99.683,-5.559 99.684,-5.559 99.685,-5.559 99.687,-5.558 99.688,-5.558 99.689,-5.557 99.69,-5.557 99.691,-5.557 ; 99.676,55.561 99.677,55.56 99.678,55.56 99.679,55.56 99.681,55.559 99.682,55.559 99.683,55.558 99.684,55.558 99.685,55.558 99.687,55.557 99.688,55.557 99.689,55.557 99.69,55.556 99.691,55.556 99.692,55.555 99.694,55.555 99.695,55.555 99.696,55.554 99.697,55.554 99.698,55.553 99.699,55.553 99.701,55.552 99.702,55.552 99.703,55.552 99.704,55.551 99.705,55.551 99.706,55.55 99.708,55.55 99.709,55.55 99.71,55.549 99.711,55.549 99.712,55.548 99.713,55.548 99.713,-5.549 99.712,-5.549 99.711,-5.55 99.71,-5.55 99.709,-5.55 99.708,-5.551 99.706,-5.551 ; 99.675,55.561 99.676,55.561 ; 99.691,-5.557 99.692,-5.556 ; 99.692,-5.556 99.694,-5.556 99.695,-5.555 99.696,-5.555 99.697,-5.555 99.698,-5.554 99.699,-5.554 99.701,-5.553 99.702,-5.553 99.703,-5.553 99.704,-5.552 99.705,-5.552 ; 99.705,-5.552 99.706,-5.551

## Other copper
Top Layer:
  pour cut-out: 21.135,-29.713 21.135,-22.5 69.085,-22.5 69.135,-22.45 69.135,-29.713
Int1 (GND):
  pour cut-out: 21.135,-29.713 21.135,-22.5 69.085,-22.5 69.135,-22.45 69.135,-29.713
Int2 (PWR):
  pour cut-out: 21.135,-29.713 21.135,-22.5 69.085,-22.5 69.135,-22.45 69.135,-29.713
Bottom Layer:
  pour cut-out: 21.135,-29.713 21.135,-22.5 69.085,-22.5 69.135,-22.45 69.135,-29.713
  text "20/02 T.Li" at 23.15,77.475 h0.8

## Silkscreen, mask and mechanical layers (free items; w line width, h text height)
Top Overlay:
  drawing of 19 lines, arcs and shapes, not listed
  text "INST 0 INPUT" at 15.75,76.135 h0.8 r270
  text "INST 1/MIC INPUT" at 73.22,76.135 h0.8 r270
  text "ESP STM COMM" at -7.85,53.6 h0.8 r270
  text "3V3 / GND / GND" at 5.5,53 h0.8
  text "E" at 74.654,52.457 h10
  text "SWDIO / SWCLK / TX / RX / NRST" at 8.435,50.5 h0.8
  text "GND" at -5.35,45.4 h0.8
  text "RX" at -6.1,43.65 h0.8
  text "TX" at -7.6,42.15 h0.8
  text "STM32 / DEBUG" at 0.7,42 h0.8
  text "STM32 / RESET" at 18.5,41 h0.8
  text "DEBUG LEDS / 3 - BLUE / 2 - BLUE / 1 - GREEN / 0 - GREEN" at 35.25,14 h0.8
  text "VBUS" at 94.65,8.9 h0.8
  text "INPUT & PROCESSING BOARD / REV 1.0" at 31.875,5.55 h0.8
  text "ESP32 / BOOT" at 45.25,-0.25 h0.8
  text "IO27 / LED1" at 58.225,-6.407 h0.8
  text "GND" at 26.4,-14.02 h0.8
  text "RX" at 26.4,-16.56 h0.8
  text "ESP32 EN" at 69.9,-18.6 h0.8
  text "TX" at 26.4,-19.1 h0.8
  text "ESP32 PROG" at 23.75,-21.25 h0.8
Top Solder:
  lines w1.25: -9.225,-5.086 -9.225,55.082 0.281,56.588 ; -9.2,-5.122 1.263,-6.793 ; 0.275,56.625 ccw(c-1.907,71.856) 13.087,68.402 ; 1.598,-6.889 cw(c-1.856,-21.883) 13.375,-19.701 ; 13.183,68.737 14.853,79.2 75.101,79.2 76.844,68.285 ; 13.412,-19.695 14.918,-29.201 ; 14.884,-29.2 73.513,-29.2 75.025,-29.2 ; 75.082,-29.201 76.588,-19.695 ; 76.625,-19.701 cw(c91.856,-21.883) 88.402,-6.889 ; 76.894,68.335 ccw(c91.972,71.994) 89.014,56.763 ; 88.737,-6.793 99.2,-5.122 99.2,55.14 93.773,55.999 89.006,56.754
Bottom Solder:
  lines w1.25: -9.225,-5.086 -9.225,55.082 0.281,56.588 ; -9.2,-5.122 1.263,-6.793 ; 0.275,56.625 ccw(c-1.907,71.856) 13.087,68.402 ; 1.598,-6.889 cw(c-1.856,-21.883) 13.375,-19.701 ; 13.183,68.737 14.853,79.2 75.101,79.2 76.844,68.285 ; 13.412,-19.695 14.918,-29.201 ; 14.884,-29.2 73.513,-29.2 75.025,-29.2 ; 75.082,-29.201 76.588,-19.695 ; 76.625,-19.701 cw(c91.856,-21.883) 88.402,-6.889 ; 76.894,68.335 ccw(c91.972,71.994) 89.014,56.763 ; 88.737,-6.793 99.2,-5.122 99.2,55.14 93.773,55.999 89.006,56.754
Mechanical 1:
  region: 80,162.5
  region: 82.5,157.5
Mechanical 7:
  drawing of 431 lines, arcs and shapes, not listed

## Text inside footprints (layer, text, board x,y; h text height)
C27: Top Overlay "+" at 65,51.7 h0.8 r270
C28: Top Overlay "+" at 52.5,54.8 h0.8 r270
P2: Mechanical 16 ">PCB Edge" at 97.075,29.8 h1.57 r90
U1: Mechanical 4 "ANTENNA" at 50.86,-24.401 h1.88 r180; Mechanical 4 "ANTENNA" at 50.86,-24.401 h1.88 r180; Top Assembly "KEEP OUT / NO COPPER / NO TRACES / NO COMPONENTS" at 51.683,-32 h1.1 r180